# KiCad board DQBSC.kicad_pcb
date: 2023-05-13
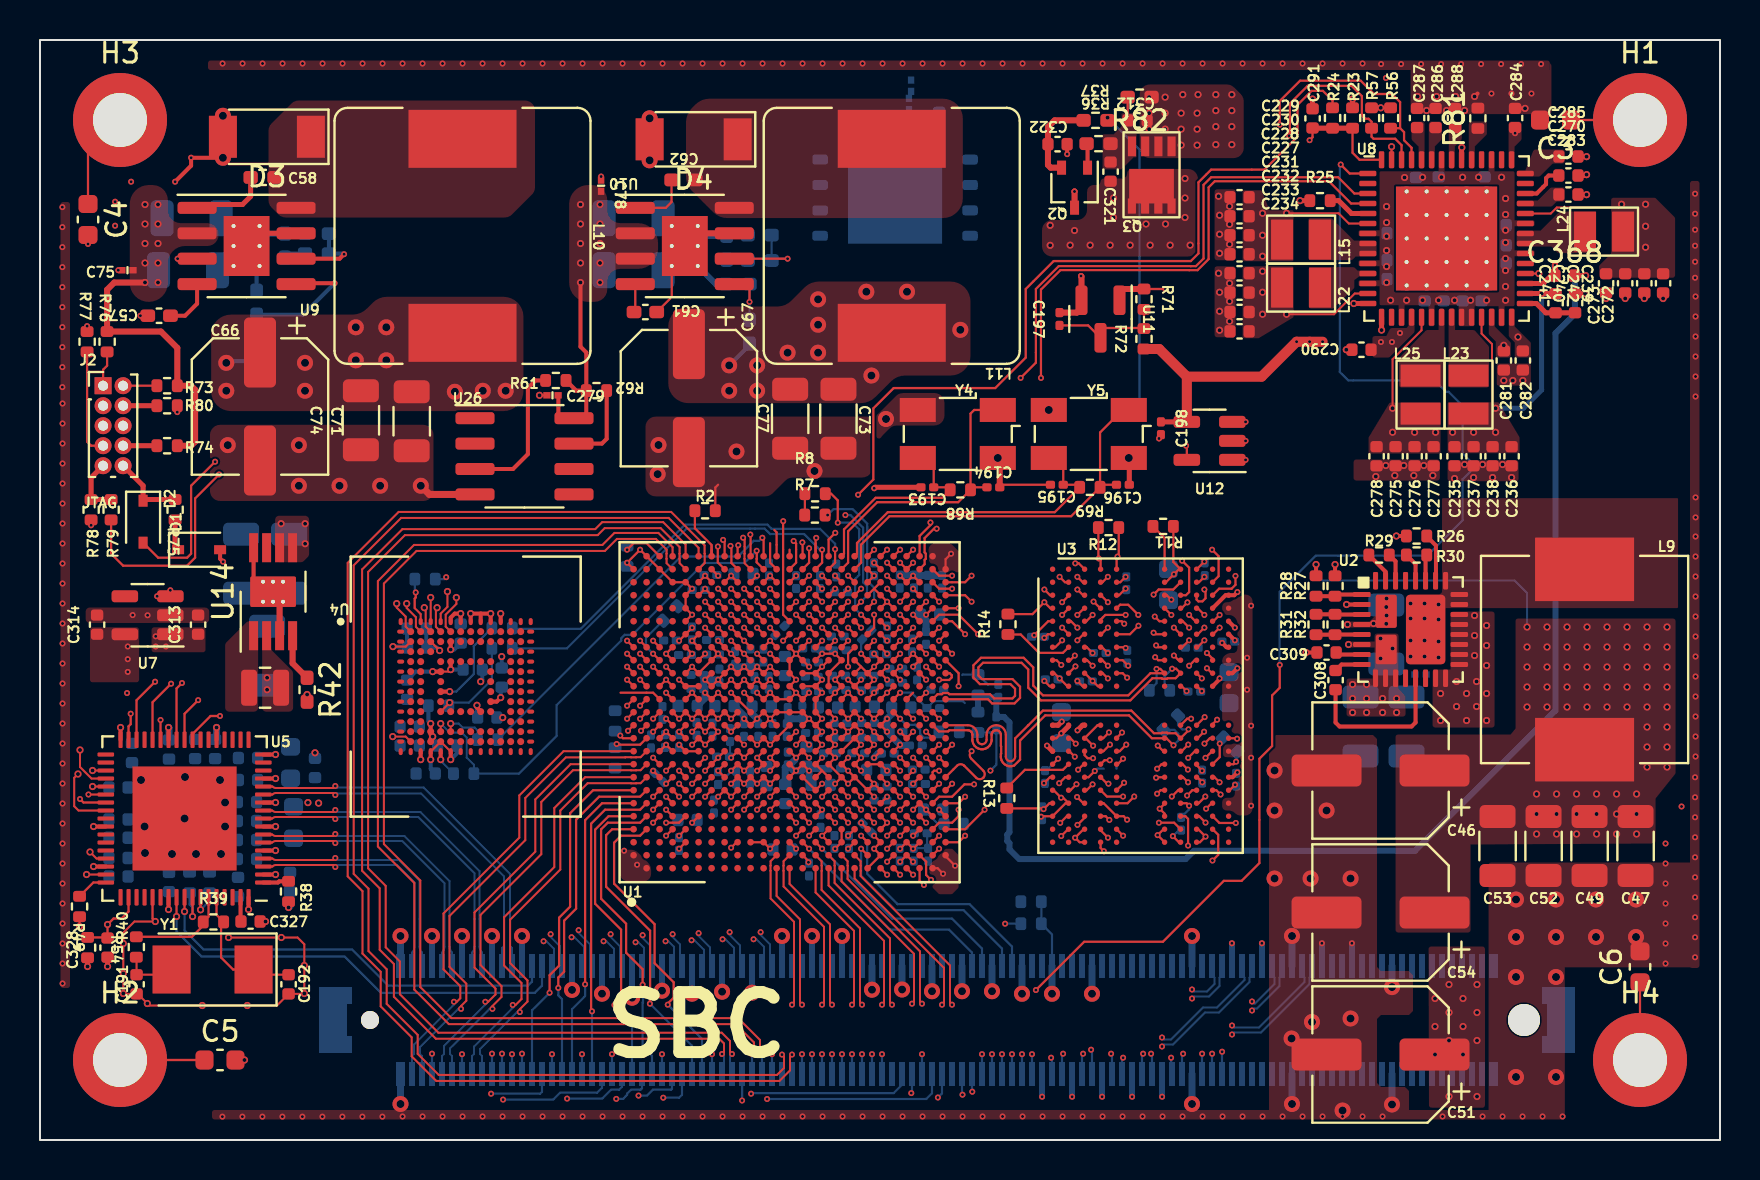
[diagram p0: board, top side]
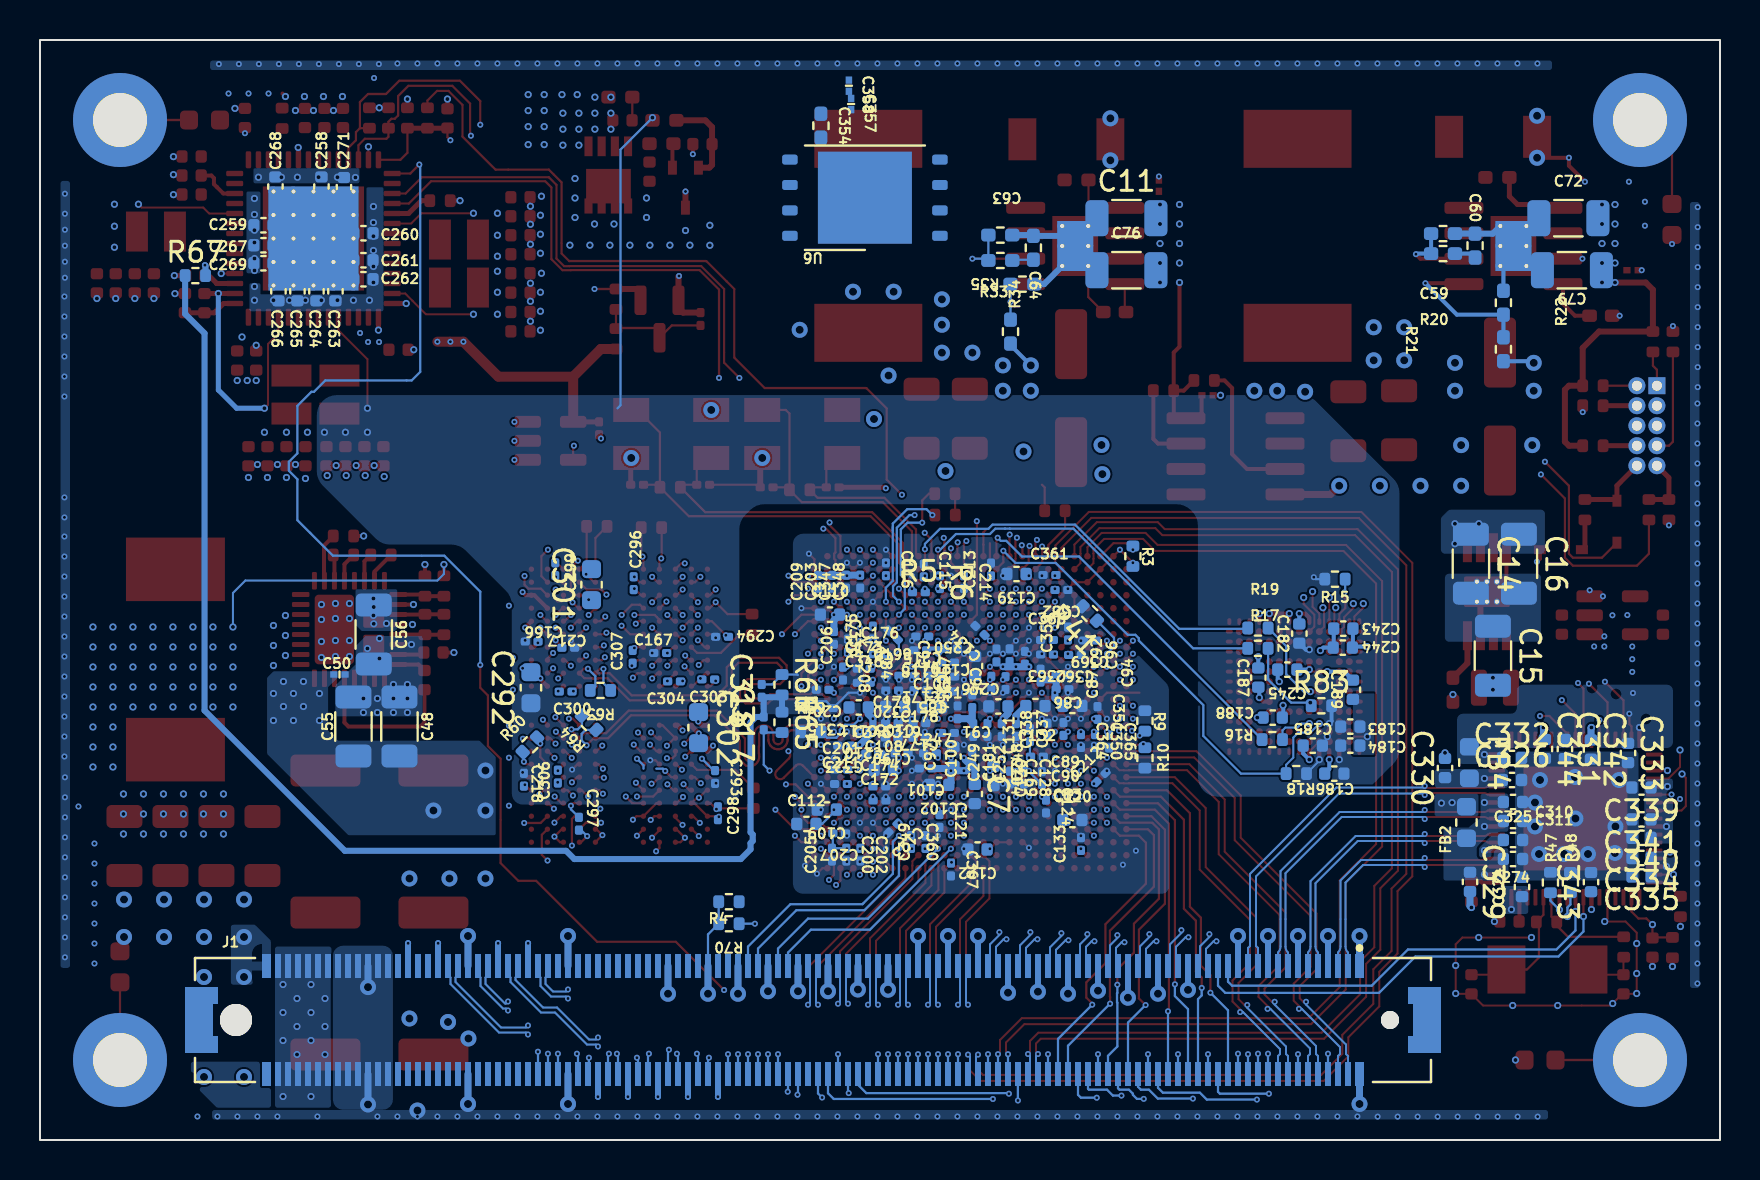
[diagram p1: board, bottom side, seen from below]

Outline 84 x 55 mm; copper layers: TOP, GND1, S1, PW1, S2, GND2 (plane), PW2, BOT. Coordinates in mm from the lower left corner of the outline.
Outline path: rectangle 0,55 84,0
Stack: TOP 0.035mm / dielectric 0.18mm FR4 er 4.5 / GND1 0.035mm / dielectric 0.23mm FR4 er 4.5 / S1 0.035mm / dielectric 0.18mm FR4 er 4.5 / PW1 0.035mm / dielectric 0.23mm FR4 er 4.5 / S2 0.035mm / dielectric 0.18mm FR4 er 4.5 / GND2 0.035mm / dielectric 0.23mm FR4 er 4.5 / PW2 0.035mm / dielectric 0.18mm FR4 er 4.5 / BOT 0.035mm

## Placement (name value [footprint] x y rotation side)
C3  220nF  [C_0603_1608Metric]  75.78 51 180 top
C4  220nF  [C_0603_1608Metric]  2.4 46.03 270 top
C5  220nF  [C_0603_1608Metric]  9 4 0 top
C6  220nF  [C_0603_1608Metric]  80 8.66 90 top
C7  22uF  [C_0402_1005Metric]  37.26 17.3 270 bottom
C11  10uF  [C_1206_3216Metric]  29.68 46.09 180 bottom
C14  10uF  [C_1206_3216Metric]  12.45 28.81 270 bottom
C15  10uF  [C_1206_3216Metric]  11.35 24.21 270 bottom
C16  10uF  [C_1206_3216Metric]  10.05 28.81 270 bottom
C46  33uF  [CP_Elec_6.3x7.7]  67.03 18.47 180 top
C47  10uF  [C_1206_3216Metric]  79.78 14.7 270 top
C48  10uF  [C_1206_3216Metric]  66.03 20.67 90 bottom
C49  10uF  [C_1206_3216Metric]  77.48 14.7 270 top
C50  220nF  [C0201_L]  69.03 23.27 180 bottom
C51  33uF  [CP_Elec_6.3x7.7]  67.03 4.27 180 top
C52  10uF  [C_1206_3216Metric]  75.18 14.7 270 top
C53  10uF  [C_1206_3216Metric]  72.88 14.7 270 top
C54  33uF  [CP_Elec_6.3x7.7]  67.03 11.37 180 top
C55  10uF  [C_1206_3216Metric]  68.33 20.67 90 bottom
C56  10uF  [C_1206_3216Metric]  67.31 25.27 270 bottom
C57  4.7uF  [C_0402_1005Metric_Pad0.74x0.62mm_HandSolder]  5.95 41.21 180 top
C58  0.47uF  [R_0402_1005Metric_Pad0.72x0.64mm_HandSolder]  11.13 48.13 180 top
C59  0.47u  [R_0402_1005Metric_Pad0.72x0.64mm_HandSolder]  13.85 45.32 0 bottom
C60  0.47u  [R_0402_1005Metric_Pad0.72x0.64mm_HandSolder]  12.25 44.72 90 bottom
C61  4.7uF  [C_0402_1005Metric_Pad0.74x0.62mm_HandSolder]  30.27 41.4 0 top
C62  0.47uF  [R_0402_1005Metric_Pad0.72x0.64mm_HandSolder]  32.17 48 180 top
C63  0.47u  [R_0402_1005Metric_Pad0.72x0.64mm_HandSolder]  35.98 45.25 180 bottom
C64  0.47u  [R_0402_1005Metric_Pad0.72x0.64mm_HandSolder]  34.33 44.61 90 bottom
C66  33uF  [CP_Elec_6.3x7.7]  11 36.68 270 top
C67  33uF  [CP_Elec_6.3x7.7]  32.44 37.09 270 top
C71  10uF  [C_1206_3216Metric]  18.58 35.94 270 top
C72  10uF  [C_1206_3216Metric]  7.58 46.09 180 bottom
C73  10uF  [C_1206_3216Metric]  39.92 36.06 270 top
C74  10uF  [C_1206_3216Metric]  16.04 35.99 270 top
C75  220nF  [C0201_L]  4.37 43.49 0 top
C76  10uF  [C_1206_3216Metric]  29.68 43.49 180 bottom
C77  10uF  [C_1206_3216Metric]  37.51 36.06 270 top
C78  220nF  [C0201_L]  28.05 47.71 270 top
C79  10uF  [C_1206_3216Metric]  7.4 43.49 180 bottom
C83  22uF  [C_0402_1005Metric]  32.38 21.71 180 bottom
C84  22uF  [C_0402_1005Metric]  37.25 23.7 90 bottom
C85  22uF  [C_0402_1005Metric]  36.08 21.68 0 bottom
C86  22uF  [C_0402_1005Metric]  34.23 21.7 180 bottom
C87  1uF  [C_0201_0603Metric]  35.72 22.85 270 bottom
C89  1uF  [C_0201_0603Metric]  32.88 23.25 180 bottom
C90  1uF  [C_0201_0603Metric]  32.87 22.54 180 bottom
C91  1uF  [C_0201_0603Metric]  38.6 20.35 180 bottom
C92  1uF  [C_0201_0603Metric]  35.52 24.24 270 bottom
C93  1uF  [C_0201_0603Metric]  36.18 24.22 270 bottom
C94  1uF  [C_0201_0603Metric]  33.97 23.22 270 bottom
C95  1uF  [C_0201_0603Metric]  36.43 22.86 90 bottom
C96  1uF  [C_0201_0603Metric]  34.76 24.11 270 bottom
C97  22uF  [C_0402_1005Metric]  38.33 19.17 90 bottom
C100  1uF  [C_0201_0603Metric]  37.39 19.08 90 bottom
C101  1uF  [C_0201_0603Metric]  39.71 18.58 0 bottom
C102  22uF  [C_0402_1005Metric]  39.04 17.76 0 bottom
C104  22uF  [C_0402_1005Metric]  36.33 18.2 270 bottom
C105  22uF  [C_0402_1005Metric]  41.24 21.66 0 bottom
C106  22uF  [C_0402_1005Metric]  39.4 21.63 180 bottom
C108  22uF  [C_0402_1005Metric]  41.81 18.5 180 bottom
C109  22uF  [C_0402_1005Metric]  44.66 16.52 0 bottom
C110  22uF  [C_0402_1005Metric]  44.5 26.27 180 bottom
C111  22uF  [C_0402_1005Metric]  43.07 21.63 0 bottom
C112  22uF  [C_0402_1005Metric]  45.68 15.8 180 bottom
C114  1uF  [C_0201_0603Metric]  38.46 24.58 0 bottom
C115  1uF  [C_0201_0603Metric]  39.81 28.48 270 bottom
C116  1uF  [C_0201_0603Metric]  41.7 28.53 270 bottom
C117  1uF  [C_0201_0603Metric]  41.34 25.25 45 bottom
C118  1uF  [C_0201_0603Metric]  39.99 24.49 0 bottom
C120  22uF  [C_0402_1005Metric]  32.38 16 180 bottom
C121  1uF  [C_0201_0603Metric]  39.02 15.95 270 bottom
C122  22uF  [C_0402_1005Metric]  37.13 14.53 0 bottom
C123  1uF  [C_0201_0603Metric]  41.35 15.6 315 bottom
C124  1uF  [C_0201_0603Metric]  33.7 16.68 270 bottom
C128  1uF  [C_0201_0603Metric]  34.8 18.12 270 bottom
C130  1uF  [C_0201_0603Metric]  33.9 18.1 90 bottom
C131  1uF  [C_0201_0603Metric]  34.5 20.25 90 bottom
C132  1uF  [C_0201_0603Metric]  34.15 19.17 180 bottom
C133  1uF  [C_0201_0603Metric]  31.95 14.8 90 bottom
C134  1uF  [C_0201_0603Metric]  37 25.48 45 bottom
C139  22uF  [C_0402_1005Metric]  35.18 28.3 0 bottom
C166  4.7uF  [C_0201_0603Metric]  57.59 24.61 0 bottom
C167  4.7uF  [C_0201_0603Metric]  52.99 24.35 0 bottom
C169  1uF  [C_0201_0603Metric]  35.5 18.12 270 bottom
C170  1uF  [C_0201_0603Metric]  39.98 22.5 180 bottom
C171  1uF  [C_0201_0603Metric]  39.95 23.22 0 bottom
C172  1uF  [C_0201_0603Metric]  42.03 16.98 180 bottom
C173  1uF  [C_0201_0603Metric]  42.81 23.56 180 bottom
C174  1uF  [C_0201_0603Metric]  42.03 17.68 180 bottom
C175  1uF  [C_0201_0603Metric]  42.36 25.37 90 bottom
C176  1uF  [C_0201_0603Metric]  42.01 24.29 180 bottom
C177  1uF  [C_0201_0603Metric]  40.03 20.84 0 bottom
C178  1uF  [C_0201_0603Metric]  40.03 20.11 180 bottom
C179  1uF  [C_0201_0603Metric]  41.41 20.85 180 bottom
C181  1uF  [C_0201_0603Metric]  36.63 20.5 90 bottom
C182  0.1uF  [C_0402_1005Metric]  21.03 25.32 90 bottom
C183  0.1uF  [C_0402_1005Metric]  18.48 20.67 180 bottom
C184  0.1uF  [C_0402_1005Metric]  18.48 19.72 180 bottom
C185  0.1uF  [C_0402_1005Metric]  20.36 19.72 0 bottom
C186  0.1uF  [C_0402_1005Metric]  19.28 18.32 0 bottom
C187  0.1uF  [C_0402_1005Metric]  23.08 23.12 90 bottom
C188  0.1uF  [C_0402_1005Metric]  22.36 21.12 0 bottom
C189  0.1uF  [C_0402_1005Metric]  18.35 22.51 270 bottom
C190  1uF  [C_0201_0603Metric]  41.41 20.12 0 bottom
C191  C  [C_0402_1005Metric]  4.83 7.78 270 top
C192  C  [C_0402_1005Metric]  12.43 7.78 270 top
C193  C  [C_0201_0603Metric]  44.37 32.64 180 top
C194  C  [C_0201_0603Metric]  47.67 32.64 0 top
C195  C  [C_0201_0603Metric]  50.84 32.76 180 top
C196  C  [C_0201_0603Metric]  54.14 32.76 0 top
C197  0.1uF  [C_0201_0603Metric]  50.98 41.05 90 top
C198  0.1uF  [C_0201_0603Metric]  56.05 35.59 270 top
C199  1uF  [C_0201_0603Metric]  41.37 23.22 180 bottom
C200  1uF  [C_0201_0603Metric]  43.68 14.27 270 bottom
C201  1uF  [C_0201_0603Metric]  43.94 18.52 180 bottom
C202  1uF  [C_0201_0603Metric]  42.98 14.27 270 bottom
C203  1uF  [C_0201_0603Metric]  44.39 27.91 90 bottom
C204  1uF  [C_0201_0603Metric]  44.87 22.51 0 bottom
C205  1uF  [C_0201_0603Metric]  44.4 14.27 90 bottom
C206  1uF  [C_0201_0603Metric]  43.6 24.73 90 bottom
C207  1uF  [C_0201_0603Metric]  44.04 15.33 0 bottom
C208  1uF  [C_0201_0603Metric]  43.85 23.32 270 bottom
C209  1uF  [C_0201_0603Metric]  45.1 27.91 90 bottom
C210  1uF  [C_0201_0603Metric]  42.83 20.42 0 bottom
C211  1uF  [C_0201_0603Metric]  43.95 17.8 180 bottom
C212  1uF  [C_0201_0603Metric]  30.95 18.13 135 bottom
C213  1uF  [C_0201_0603Metric]  36.45 28.53 90 bottom
C214  1uF  [C_0201_0603Metric]  37.81 27.89 270 bottom
C215  1uF  [C_0201_0603Metric]  39.89 25.18 0 bottom
C217  4.7uF  [C_0201_0603Metric]  59.42 24.92 180 bottom
C218  4.7uF  [C_0201_0603Metric]  59.8 18.01 270 bottom
C227  22uF  [C_0402_1005Metric]  59.98 44.29 180 top
C228  22uF  [C_0402_1005Metric]  59.98 45.24 180 top
C229  22uF  [C_0402_1005Metric]  59.98 47.14 180 top
C230  22uF  [C_0402_1005Metric]  59.98 46.19 180 top
C231  22uF  [C_0402_1005Metric]  59.98 43.34 180 top
C232  22uF  [C_0402_1005Metric]  59.98 42.37 180 top
C233  22uF  [C_0402_1005Metric]  59.98 41.4 180 top
C234  22uF  [C_0402_1005Metric]  59.98 40.43 180 top
C235  22uF  [C_0402_1005Metric]  70.73 34.19 270 top
C236  22uF  [C_0402_1005Metric]  73.58 34.19 270 top
C237  22uF  [C_0402_1005Metric]  71.68 34.19 270 top
C238  22uF  [C_0402_1005Metric]  72.63 34.19 270 top
C239  22uF  [C_0402_1005Metric]  81.15 42.83 270 top
C240  22uF  [C_0402_1005Metric]  79.26 42.83 270 top
C241  22uF  [C_0402_1005Metric]  78.3 42.83 270 top
C242  22uF  [C_0402_1005Metric]  80.21 42.83 270 top
C243  0.1uF  [C_0402_1005Metric]  18.86 24.62 0 bottom
C244  0.1uF  [C_0402_1005Metric]  18.83 25.57 0 bottom
C245  0.1uF  [C_0402_1005Metric]  21.63 23.52 0 bottom
C246  1uF  [C_0201_0603Metric]  38.61 22.43 0 bottom
C247  1uF  [C_0201_0603Metric]  39.5 19.34 180 bottom
C248  1uF  [C_0201_0603Metric]  35.2 20.5 270 bottom
C249  1uF  [C_0201_0603Metric]  37.34 20.5 90 bottom
C250  1uF  [C_0201_0603Metric]  38.6 23.88 180 bottom
C251  1uF  [C_0201_0603Metric]  38.58 23.17 0 bottom
C252  1uF  [C_0201_0603Metric]  35.92 20.5 270 bottom
C254  1uF  [C_0201_0603Metric]  37.39 21.94 90 bottom
C257  1uF  [C_0201_0603Metric]  38.12 21.38 270 bottom
C258  4.7uF  [C_0402_1005Metric]  69.93 47.67 90 bottom
C259  4.7uF  [C_0402_1005Metric]  72.83 45.74 0 bottom
C260  4.7uF  [C_0402_1005Metric]  67.83 45.34 180 bottom
C261  4.7uF  [C_0402_1005Metric]  67.83 43.99 180 bottom
C262  4.7uF  [C_0402_1005Metric]  67.83 43.04 180 bottom
C263  4.7uF  [C_0402_1005Metric]  69.23 42.44 270 bottom
C264  4.7uF  [C_0402_1005Metric]  70.18 42.44 270 bottom
C265  4.7uF  [C_0402_1005Metric]  71.13 42.44 270 bottom
C266  4.7uF  [C_0402_1005Metric]  72.08 42.44 270 bottom
C267  4.7uF  [C_0402_1005Metric]  72.83 44.74 0 bottom
C268  4.7uF  [C_0402_1005Metric]  72.23 47.67 90 bottom
C269  4.7uF  [C_0402_1005Metric]  72.83 43.84 0 bottom
C270  4.7uF  [C_0402_1005Metric]  76.42 48.22 180 top
C271  4.7uF  [C_0402_1005Metric]  68.8 47.64 90 bottom
C272  4.7uF  [C_0402_1005Metric]  75.78 41.84 270 top
C273  4.7uF  [C_0402_1005Metric]  76.75 41.84 90 top
C274  0.1uF  [C_0402_1005Metric]  10.35 14.05 180 bottom
C275  22uF  [C_0402_1005Metric]  67.78 34.19 270 top
C276  22uF  [C_0402_1005Metric]  68.73 34.19 270 top
C277  22uF  [C_0402_1005Metric]  69.68 34.19 270 top
C278  22uF  [C_0402_1005Metric]  66.83 34.19 270 top
C279  220nF  [C0201_L]  25.62 37.23 180 top
C281  22uF  [C_0402_1005Metric]  73.19 38.97 270 top
C282  22uF  [C_0402_1005Metric]  74.14 38.97 270 top
C283  22uF  [C_0402_1005Metric]  76.42 47.27 0 top
C284  22uF  [C_0402_1005Metric]  73.75 51.1 90 top
C285  4.7uF  [C_0402_1005Metric]  76.42 49.17 180 top
C286  4.7uF  [C_0402_1005Metric]  69.78 51.1 270 top
C287  4.7uF  [C_0402_1005Metric]  68.85 51.1 270 top
C288  4.7uF  [C_0402_1005Metric]  70.75 51.1 270 top
C290  4.7uF  [C_0402_1005Metric]  66.07 39.51 180 top
C291  4.7uF  [C_0402_1005Metric]  63.63 51.08 90 top
C292  22uF  [C_0603_1608Metric]  59.45 22.61 90 bottom
C293  4.7uF  [C_0201_0603Metric]  50.25 18.15 270 bottom
C294  4.7uF  [C_0201_0603Metric]  49.9 25.16 0 bottom
C296  4.7uF  [C_0201_0603Metric]  54.32 27.84 90 bottom
C297  4.7uF  [C_0201_0603Metric]  57.05 15.81 270 bottom
C298  4.7uF  [C_0201_0603Metric]  50.1 16.34 90 bottom
C299  4.7uF  [C_0201_0603Metric]  58.24 28.54 270 bottom
C300  4.7uF  [C_0201_0603Metric]  57.72 22.42 0 bottom
C301  22uF  [C_0603_1608Metric]  56.42 27.77 90 bottom
C302  22uF  [C_0603_1608Metric]  51.07 20.62 270 bottom
C303  4.7uF  [C_0201_0603Metric]  50.59 23.03 0 bottom
C304  4.7uF  [C_0201_0603Metric]  52.3 22.93 0 bottom
C306  4.7uF  [C_0201_0603Metric]  58.11 18.17 90 bottom
C307  4.7uF  [C_0201_0603Metric]  54.37 24.16 90 bottom
C308  2.2uF  [C_0402_1005Metric]  64.78 22.99 270 top
C309  22uF  [C_0402_1005Metric]  64.33 24.37 180 top
C310  0.1uF  [C_0402_1005Metric]  10.35 16.9 180 bottom
C311  0.1uF  [C_0402_1005Metric]  10.35 15.95 180 bottom
C312  22uF  [C_0402_1005Metric]  54.88 50.98 180 top
C313  22uF  [C_0402_1005Metric]  7.9 25.77 90 top
C314  22uF  [C_0402_1005Metric]  2.85 25.77 90 top
C315  1uF  [C_0201_0603Metric]  44.66 21.59 0 bottom
C317  0.1uF  [C_0201_0603Metric]  47.81 20.83 90 bottom
C318  0.1uF  [C_0201_0603Metric]  47.91 22.46 90 bottom
C319  1uF  [C_0201_0603Metric]  40.92 19.33 180 bottom
C320  1uF  [C_0201_0603Metric]  41.39 22.48 0 bottom
C321  22uF  [C_0402_1005Metric]  53.53 48.42 90 top
C322  22uF  [C_0402_1005Metric]  50.88 49.79 0 top
C323  1uF  [C_0201_0603Metric]  43.79 19.72 0 bottom
C324  0.1uF  [C_0402_1005Metric]  9.9 12.65 90 bottom
C325  0.1uF  [C_0402_1005Metric]  10.35 15 180 bottom
C326  0.1uF  [C_0402_1005Metric]  10.4 18 180 bottom
C327  0.01uF  [C_0402_1005Metric]  10.53 10.92 180 top
C328  C  [C_0402_1005Metric]  3.38 9.62 270 top
C329  10uF  [C_0402_1005Metric]  12.5 12.91 270 bottom
C330  10uF  [C_0402_1005Metric]  13.75 18.6 90 bottom
C331  10uF  [C_0402_1005Metric]  7.75 19.55 270 bottom
C332  0.1uF  [C_0402_1005Metric]  10.4 19.1 180 bottom
C333  0.1uF  [C_0402_1005Metric]  4.6 19.35 270 bottom
C334  0.1uF  [C_0402_1005Metric]  3.93 14.1 0 bottom
C335  10uF  [C_0402_1005Metric]  3.93 13.18 0 bottom
C336  1uF  [C_0201_0603Metric]  44.3 25.11 270 bottom
C337  1uF  [C_0201_0603Metric]  32.82 20.55 90 bottom
C338  1uF  [C_0201_0603Metric]  33.63 20.52 90 bottom
C339  10uF  [C_0402_1005Metric]  3.93 17.63 0 bottom
C340  0.1uF  [C_0402_1005Metric]  3.93 15.11 0 bottom
C341  10uF  [C_0402_1005Metric]  3.93 16.03 0 bottom
C342  0.1uF  [C_0402_1005Metric]  6.45 19.53 270 bottom
C343  0.1uF  [C_0402_1005Metric]  6.45 12.89 90 bottom
C344  0.1uF  [C_0402_1005Metric]  8.75 19.55 270 bottom
C345  1uF  [C_0201_0603Metric]  42.39 19.32 180 bottom
C346  1uF  [C_0201_0603Metric]  42.81 22.86 180 bottom
C347  1uF  [C_0201_0603Metric]  43.69 27.92 90 bottom
C348  1uF  [C_0201_0603Metric]  42.99 27.92 90 bottom
C349  1uF  [C_0201_0603Metric]  39.73 14.9 90 bottom
C350  1uF  [C_0201_0603Metric]  31.25 19.95 270 bottom
C351  1uF  [C_0201_0603Metric]  31.13 21.35 270 bottom
C352  1uF  [C_0201_0603Metric]  32.93 27.5 0 bottom
C354  22uF  [R_0402_1005Metric_Pad0.72x0.64mm_HandSolder]  44.95 50.71 270 bottom
C357  220nF  [C0201_L]  43.44 51.8 270 bottom
C358  220nF  [C0201_L]  43.55 52.71 270 bottom
C359  1uF  [C_0201_0603Metric]  32.6 25.33 90 bottom
C360  1uF  [C_0201_0603Metric]  40.45 14.9 270 bottom
C361  1uF  [C_0201_0603Metric]  33.52 28.25 180 bottom
C362  1uF  [C_0201_0603Metric]  32.25 24.25 0 bottom
C363  1uF  [C_0201_0603Metric]  33.65 24.28 0 bottom
C364  1uF  [C_0201_0603Metric]  31.95 19.95 270 bottom
C365  1uF  [C_0201_0603Metric]  30.55 19.93 270 bottom
C366  1uF  [C_0201_0603Metric]  33.65 25 180 bottom
C367  1uF  [C_0201_0603Metric]  38.45 13.53 270 bottom
C368  22uF  [C_0402_1005Metric]  76.23 43.22 0 top
C369  1uF  [C_0201_0603Metric]  31.5 24.98 0 bottom
D1  D_Schottky  [D_SOD-323]  7.95 29.51 0 top
D2  D_Schottky  [D_SOD-323]  5.15 30.91 270 top
D3  RSX501LAM20TR  [D_SOD-128]  11.35 50.16 180 top
D4  RSX501LAM20TR  [D_SOD-128]  32.68 50.03 180 top
FB2  FerriteBead_Small  [L_0603_1608Metric]  12.68 15.87 270 bottom
FB4  FerriteBead_Small  [L_0603_1608Metric]  12.53 18.87 270 bottom
H1  MountingHole_Pad  [MountingHole_2.7mm_M2.5_DIN965_Pad_TopBottom]  80 51 0 top
H2  MountingHole_Pad  [MountingHole_2.7mm_M2.5_DIN965_Pad_TopBottom]  4 4 0 top
H3  MountingHole_Pad  [MountingHole_2.7mm_M2.5_DIN965_Pad_TopBottom]  4 51 0 top
H4  MountingHole_Pad  [MountingHole_2.7mm_M2.5_DIN965_Pad_TopBottom]  80 4 0 top
J1  3-1827253-6  [CONN_3-1827253-6]  45.35 6 180 bottom
J2  Conn_02x05_Odd_Even  [PinHeader_2x05_P1.00mm_Vertical]  3.15 37.71 0 top
L1  2.2uH  [L_0806]  10.45 22.61 0 top
L9  47uH  [IHLP-4040]  77.23 24.02 270 top
L10  47uH  [L_Bourns_SRR1260]  21.12 45.21 270 top
L11  47uH  [L_Bourns_SRR1260]  42.59 45.21 270 top
L15  1uH  [74404024010]  63.05 45.02 0 top
L22  1uH  [74404024010]  63.05 42.62 0 top
L23  1uH  [74404024010]  71.43 37.27 90 top
L24  1uH  [74404024010]  78.2 45.42 180 top
L25  1uH  [74404024010]  69.03 37.27 90 top
Q2  2SK3018-TP  [SOT-323_SC-70]  51.73 47.62 270 top
Q3  SI7309DN-T1-E3  [POWERPAK_1212_8_S]  56.58 49.68 270 top
R2  R_US  [R_0402_1005Metric]  33.25 31.46 0 top
R3  R_US  [R_0402_1005Metric]  29.35 29.19 270 bottom
R4  0  [R_0402_1005Metric]  49.55 11.91 0 bottom
R5  100  [R_0201_0603Metric]  40.06 27.39 180 bottom
R6  100  [R_0201_0603Metric]  39 27.89 270 bottom
R7  100k  [R_0402_1005Metric]  38.75 31.25 0 top
R8  4.7k  [R_0402_1005Metric]  38.75 32.31 0 top
R9  200  [R_0402_1005Metric]  28.75 20.95 270 bottom
R10  200  [R_0402_1005Metric]  28.75 19.1 90 bottom
R11  240  [R_0402_1005Metric]  56.16 30.68 0 top
R12  240  [R_0402_1005Metric]  53.43 30.62 180 top
R13  10K  [R_0402_1005Metric]  48.34 17.09 270 top
R14  10K  [R_0402_1005Metric]  48.4 25.79 90 top
R15  4.7k  [R_0402_1005Metric]  19.25 28.04 0 bottom
R16  0  [R_0402_1005Metric]  22.38 20.02 0 bottom
R17  0  [R_0402_1005Metric]  23.1 24.58 0 bottom
R18  4.7k  [R_0402_1005Metric]  21.18 18.32 180 bottom
R19  0  [R_0402_1005Metric]  23.1 25.6 180 bottom
R20  0  [R_0402_1005Metric_Pad0.72x0.64mm_HandSolder]  13.85 44.32 0 bottom
R21  7.15k  [R_0402_1005Metric_Pad0.72x0.64mm_HandSolder]  10.83 39.54 90 bottom
R22  7.15k  [R_0402_1005Metric_Pad0.72x0.64mm_HandSolder]  10.83 41.86 90 bottom
R23  100K  [R_0402_1005Metric]  65.63 51.1 90 top
R24  10K  [R_0402_1005Metric]  64.63 51.1 270 top
R25  0  [R_0402_1005Metric]  64 46.97 0 top
R26  7.15k  [R_0402_1005Metric]  68.83 30.2 0 top
R27  7.15k  [R_0402_1005Metric]  64.75 27.7 90 top
R28  7.15k  [R_0402_1005Metric]  63.8 27.7 90 top
R29  7.15k  [R_0402_1005Metric]  66.95 29.25 0 top
R30  7.15k  [R_0402_1005Metric]  68.83 29.25 180 top
R31  7.15k  [R_0402_1005Metric]  63.8 25.77 90 top
R32  7.15k  [R_0402_1005Metric]  64.75 25.77 90 top
R33  0  [R_0402_1005Metric_Pad0.72x0.64mm_HandSolder]  35.98 43.98 0 bottom
R34  7.15k  [R_0402_1005Metric_Pad0.72x0.64mm_HandSolder]  35.48 40.42 90 bottom
R35  7.15k  [R_0402_1005Metric_Pad0.72x0.64mm_HandSolder]  34.88 42.8 180 bottom
R36  7.15k  [R_0402_1005Metric_Pad0.72x0.64mm_HandSolder]  52.93 49.82 180 top
R37  7.15k  [R_0402_1005Metric_Pad0.72x0.64mm_HandSolder]  52.78 50.98 180 top
R38  2k  [R_0402_1005Metric]  12.43 12.42 270 top
R39  1M  [R_0402_1005Metric]  8.67 10.9 0 top
R40  39  [R_0402_1005Metric]  4.82 9.65 270 top
R41  15K  [R_0402_1005Metric]  31.52 26.33 45 bottom
R42  7.15k  [R_0402_1005Metric_Pad0.72x0.64mm_HandSolder]  13.35 22.51 270 top
R47  0  [R_0402_1005Metric]  8.48 12.87 90 bottom
R48  0  [R_0402_1005Metric]  7.48 12.87 90 bottom
R49  0  [R_0402_1005Metric]  1.98 11.67 90 top
R54  10k  [R_0402_1005Metric]  2.38 9.62 90 top
R56  4.7K  [R_0402_1005Metric]  67.53 51.1 270 top
R57  4.7K  [R_0402_1005Metric]  66.58 51.1 270 top
R59  240  [R_0402_1005Metric]  45.45 20.41 180 bottom
R60  10k  [R_0402_1005Metric]  59.5 19.76 135 bottom
R61  49.9  [R_0402_1005Metric]  25.79 37.98 0 top
R62  49.9  [R_0402_1005Metric]  27.82 37.47 0 top
R63  150  [R_0402_1005Metric]  55.98 22.48 0 bottom
R64  150  [R_0402_1005Metric]  56.54 20.87 45 bottom
R65  1.5k  [R_0402_1005Metric]  46.9 20.88 270 bottom
R66  1.5k  [R_0402_1005Metric]  46.9 22.76 270 bottom
R67  0  [R_0402_1005Metric]  76.23 43.22 180 bottom
R68  1M  [R_0402_1005Metric]  46.02 32.51 180 top
R69  1M  [R_0402_1005Metric]  52.49 32.64 180 top
R70  10k  [R_0402_1005Metric]  49.55 10.81 0 bottom
R71  100k  [R_0402_1005Metric]  55.2 42.04 270 top
R72  1.5k  [R_0402_1005Metric]  55.2 40.06 90 top
R73  10k  [R_0402_1005Metric]  6.35 37.71 180 top
R74  10k  [R_0402_1005Metric]  6.35 34.71 180 top
R75  39  [R_0402_1005Metric]  6.75 31.51 90 top
R76  100  [R_0402_1005Metric]  3.35 39.91 270 top
R77  0  [R_0402_1005Metric]  2.35 39.91 270 top
R78  0  [R_0402_1005Metric]  2.55 31.51 90 top
R79  0  [R_0402_1005Metric]  3.55 31.51 90 top
R80  10k  [R_0402_1005Metric]  6.35 36.71 180 top
R81  10K  [R_0402_1005Metric]  71.89 51.08 90 top
R82  7.15k  [R_0402_1005Metric_Pad0.72x0.64mm_HandSolder]  54.98 52.14 180 top
R83  4.7k  [R_0402_1005Metric]  19.93 21.71 180 bottom
U1  MIMX8MD6DVAJZAB  [BGA621C65P25X25_1700X1700X218N]  37.48 21.39 90 top
U2  SIC402ACD-T1-GE3  [PowerPAK_MLP55-32L]  68.53 25.52 0 top
U3  MT53E1G32D2FW-046_WT:A  [200-Ball TFBGA – 10mm x 14.5mm x 1.1mm]  55.03 21.71 0 top
U4  SDINBDG4-16G-I2  [BGA153N50P14X14_1300X1150X80]  21.28 22.67 0 top
U5  VSC8541XMV-02  [QFN-68-1EP_8x8mm_P0.4mm_EP5.2x5.2mm]  7.23 16.07 180 top
U6  IS25LP256D-JLLE  [WSON-8-1EP_8x6mm_P1.27mm_E4.7X4.6mm]  42.75 47.11 0 bottom
U7  TPS78412QDBVRQ1  [SOT-23-5]  5.38 26.24 180 top
U8  MC34PF4210A1ES  [QFN-56-1EP_8x8mm_P0.5mm_EP4.5x5.2mm_ThermalVias]  70.33 45.07 0 top
U9  TPS54531DDA  [SOIC-8-1EP_3.9x4.9mm_P1.27mm_EP2.29x3mm_ThermalVias]  10.33 44.7 0 top